# KiCad board NoU2-panelized2.kicad_pcb (continued)
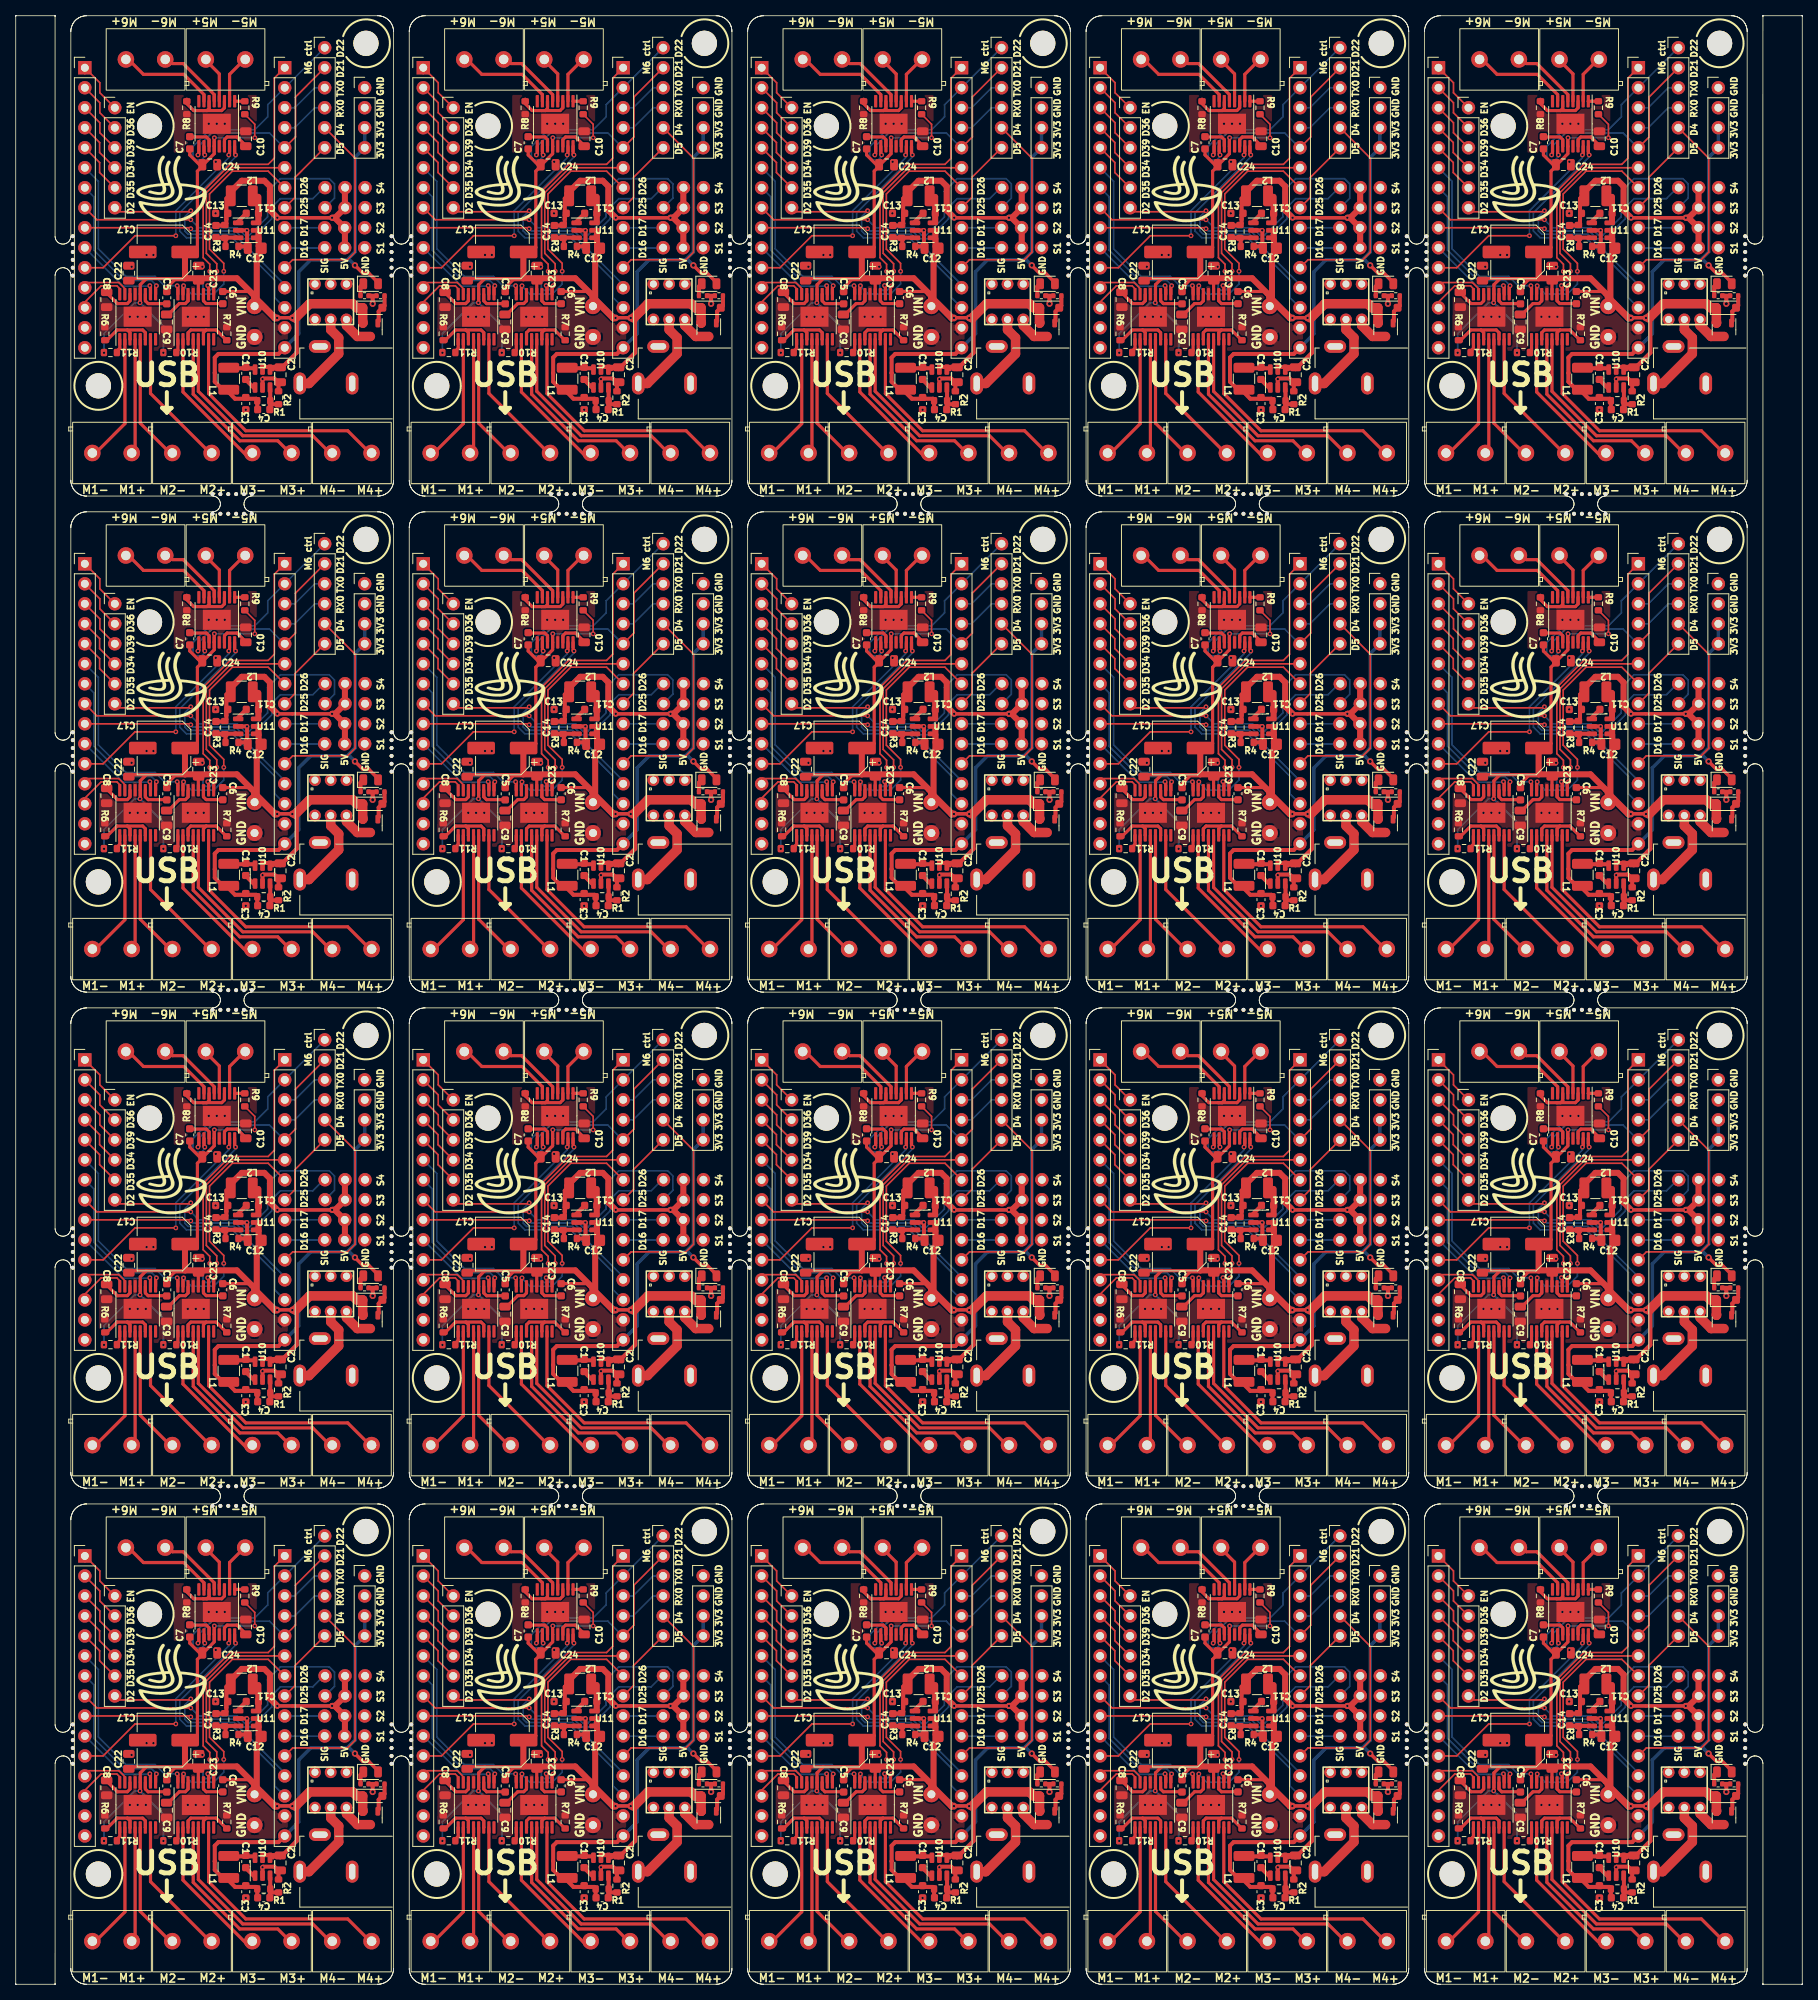
[diagram p0: board, top side]
## Routing (per net, layer and track width the routed paths; a pad name or vN(x,y) marks a point on that pad's centre or on a via; arc(x,y) is an arc through that point) (continued)
  Top w0.432: v2(33.21,148.62) 33.25,148.65 35.11,148.65 v2(35.14,148.62)
  Top w0.508: 31.65,142.4 32.27,142.4 ; 30.86,156.72 30.86,156.95 C12#5.2 ; 30.86,158.61 30.68,158.8 ; 32.53,142.27 32.69,142.11 ; 33.6,142.11 33.77,142.28 33.79,142.28 35.7,144.2 35.7,148.46 35.54,148.62 ; 33.52,142.41 32.61,142.41
  Top w0.762: C17#12.1 21.5,156.97 21.5,153.66 ; 30.85,158.7 30.85,159.65 ; 21.57,153.66 28.1,153.66 30.34,151.41 J14#8.1 30.62,150.4 30.62,156.48 30.86,156.72 30.86,158.61
  Top w0.864: v2(33.21,148.62) 32.93,148.62 30.34,151.21 30.34,151.41 ; 35.54,148.62 v2(35.14,148.62)
  Top w1.2: 44.11,148.12 Q1#5.2 44.09,148 D3#19.1 43.32,149.92 42.81,150.42 37.34,150.42 35.54,148.62
  Bottom w0.203: 25.21,171.51 v2(30.37,171.51) ; v2(11.22,144.2) 11.22,146.64 15.13,150.55 v2(15.79,150.55)
  Bottom w0.25: v2(15.79,150.55) 18.76,147.58 v2(18.76,144.2)
  Bottom w0.432: v2(33.21,148.62) 33.25,148.65 35.11,148.65 v2(35.14,148.62)
  vias: v2(25.24,171.51)
Board_6-3V3: length 60.9
  Top w0.432: v1(86.1,155.3) 87.1,154.3 87.85,154.3 89.04,153.11 D1#3.2
  Top w0.508: 70.07,139.37 69.94,139.5 69.94,139.29 70.87,138.36 73.56,138.36 73.81,138.1 ; 73.81,137.04 73.86,136.99 ; 70.2,139.25 69.56,139.25 68.29,140.52 68.29,141.63 68.29,141.63 68.29,143.59 68.75,144.05 76.39,144.05 J5#9.15 ; R1#18.1 73.69,137.04
  Bottom w0.432: J3#14.3 J3#14.4 86.11,169.01 86.11,157.01 85.12,156.01 ; v1(86.1,155.3) 85.39,156.01 85.12,156.01 ; 85.12,156.01 80.48,156.01 78.96,154.49 78.96,146.62 J5#9.15
Board_6-5V: length 40.3
  Top w0.432: v2(83.2,161.35) v2(76.24,161.35)
  Top w0.508: C14#3.2 69.5,160.37 R3#8.1 69.76,160.63 69.76,161.14 ; 70.11,164.14 69.76,163.79 69.76,161.14 ; 69.76,161.14 69.76,161.69 69.98,161.9 69.98,162.1
  Top w0.762: 84.82,157.51 84.82,160.05 83.53,161.35 v2(83.2,161.35) 83.58,161.35 84.82,162.59 84.82,165.16 ; v2(76.24,161.35) 75.3,162.29 75.3,165.33 74.59,166.05 72.58,166.05 72.58,166.05 71.72,166.05 70.11,164.43 70.11,164.14
  Bottom w0.432: v2(76.24,161.35) v2(83.2,161.35)
Board_6-/Sheet6057E9B8/D34: length 6.7
  Top w0.203: J4.4 53.66,169.63 53.66,170.9 J2#18.4
Board_6-/Sheet6057E9B8/D35: length 6.7
  Top w0.203: J4.5 53.66,167.09 53.66,168.36 J2#18.5
Board_6-/Sheet6057E9B8/D36: length 6.7
  Top w0.203: J2#18.2 53.68,175.95 53.68,174.68 J4.2
Board_6-/Sheet6057E9B8/D39: length 6.7
  Top w0.203: J4.3 53.68,172.14 53.68,173.41 J2#18.3
Board_6-/Sheet6057E9B8/EN: length 7.3
  Top w0.203: J4.1 53.68,177.22 53.68,178.49 J2#18.1
  Top w0.399: 51.78,179.76 J2#18.1
Board_6-D2: length 28.7
  Top w0.203: v2(65.24,162.24) 65.11,162.11 56.1,162.11 J4.6
  Bottom w0.203: J5#9.12 77.18,152.84 70.77,159.25 64.9,159.25 64.48,159.67 64.48,161.47 v2(65.24,162.24)
Board_6-D4: length 27.2
  Top w0.203: J5#9.11 78.19,156.01 85.15,156.01 86.12,156.98 86.12,168.92 J1#12.5
Board_6-D5: length 9.7
  Top w0.203: J5#9.8 78.5,163.94 78.5,166.48 J1#12.6
Board_6-GND: length 11.5
  Top w0.508: 72.32,136.98 72.33,136.98 ; R4#2.2 72.31,157.71 72.4,157.8 72.4,159.72 v2(72.38,159.75) 71.06,159.75 ; R5#7.2 88.1,151.44 ; 88.1,151.44 R14#11.2 ; 88.1,151.44 88.35,151.19 v1(88.35,150.42) ; 76.39,139.31 76.39,140.24 76.61,140.46 76.33,140.46 75.86,140.93 74.43,140.93 v2(74.36,140.86) 74.36,139.61
  vias: v2(57.49,148.77) v2(57.72,155.12) v2(58.5,148.77) v2(59.53,148.77) v2(59.63,156.62) v2(60.49,156.62) v2(64.86,148.77) v2(65.88,148.77) v2(66.71,155.12) v2(66.89,148.77) v2(67.53,173.28) v2(68.42,168.46) v2(68.39,161.9) v2(68.54,173.28) v2(69.56,173.28) v2(72.23,136.96)
Board_6-M1A: length 6.9
  Top w0.203: 56.22,151.64 56.22,152.33 55.85,152.7 53.85,152.7 51.78,150.63 J2#18.13
Board_6-M1B: length 6.8
  Top w0.203: J2#18.12 51.78,153.12 56.1,153.12 56.87,152.34 56.87,151.64
Board_6-M2A: length 11.3
  Top w0.399: 60.03,152.66 60.12,152.57 60.12,151.64
  Bottom w0.203: J2#18.10 56.66,152.66 60.03,152.66
  vias: v2(60.03,152.72)
Board_6-M2B: length 19.4
  Top w0.399: 60.77,151.64 60.77,152.56 60.87,152.66
  Bottom w0.203: J2#18.7 52.93,164 52.93,157.22 56.78,153.37 60.26,153.37 60.87,152.76 v2(60.87,152.71) 60.87,152.66 60.87,152.72
Board_6-M3A: length 24
  Top w0.399: 63.51,152.66 63.6,152.57 U3#10.16
  Bottom w0.203: v2(63.51,152.72) 61.88,152.72 60.7,153.9 57,153.9 53.5,157.4 53.5,165.97 J2#18.6
Board_6-M3B: length 30.9
  Top w0.203: J5#9.7 75.07,167.26 70.52,167.26 67.62,164.36 67.62,157.36 69.43,155.55 v2(69.43,154.54) ; 64.25,152.58 64.33,152.66
  Top w0.399: U3#10.15 64.25,152.58
  Bottom w0.203: v2(69.43,154.54) 69.43,152.93 68.15,151.65 65.34,151.65 64.33,152.66
  vias: v2(64.33,152.71)
Board_6-M4A: length 25.2
  Top w0.203: J5#9.6 70.39,167.7 67.22,164.53 67.22,156.83 68.54,155.5 v2(68.54,154.54)
  Top w0.399: 67.4,152.66 67.5,152.56 U3#10.10
  Bottom w0.203: v2(68.54,154.54) 68.54,153.82 67.4,152.67 67.4,152.66
  vias: v2(67.4,152.74)
Board_6-M4B: length 38.7
  Top w0.203: v2(67.65,154.54) 67.65,155.44 66.82,156.28 66.82,164.7 70.24,168.13 75.07,168.13 75.86,168.92 75.86,179.08 J5#9.1
  Top w0.399: U3#10.9 68.15,152.55 68.26,152.66
  Bottom w0.203: v2(68.29,152.71) 67.71,152.13 67.11,152.13 66.79,152.44 66.79,153.12 67.65,153.98 v2(67.65,154.54)
Board_6-M5A: length 32.5
  Top w0.399: 70.93,169.37 v2(70.93,169.32) 70.82,169.43 U2#19.16
  Bottom w0.203: v2(70.93,169.32) 70.93,169.07 63.84,161.98 63.84,159.65 64.69,158.81 70.51,158.81 75.91,153.41 75.91,151.19 77.18,149.92 J5#9.13
Board_6-M5B: length 27.4
  Top w0.203: J2#18.11 54.1,155 58.16,159.06 v2(63.34,159.06)
  Top w0.399: 70.07,169.37 70.17,169.47 U2#19.15
  Bottom w0.203: 70.07,169.37 70.07,168.97 63.34,162.24 v2(63.34,159.06)
  vias: v2(70.07,169.32)
Board_6-M6A: length 27.3
  Top w0.203: 82.25,182.94 J1#12.1
  Top w0.399: 67.02,169.37 66.92,169.47 U2#19.10
  Bottom w0.203: v2(67.02,169.32) 67.02,169.12 66.59,168.69 65.85,168.69 65.53,169.02 65.53,170.39 67.65,172.52 73.37,172.52 75.02,174.17 75.02,175.7 J5#9.2 82.25,182.94
Board_6-M6B: length 26.9
  Top w0.203: J5#9.5 78.55,171.61 78.55,176.69 J1#12.2
  Top w0.399: U2#19.9 66.27,169.49 66.16,169.37
  Bottom w0.203: 66.16,169.37 66.27,169.49 66.27,170.46 67.92,172.11 75.24,172.11 77.11,170.24 J5#9.5
  vias: v2(66.16,169.32)
Board_6-Net-(D1-K): length 1.7
  Top w0.508: R14#11.1 86.81,152.61 D1#3.1
Board_6-Net-(D3-A): length 3.7
  Top w0.508: 89.01,148.12 89.12,148.23 89.12,149.45 D3.2 89.86,150.19 R5#7.1
Board_6-Net-(J10-Pad1): length 11.3
  Top w1.2: 79.08,140.3 80.26,140.3 84.04,144.07 84.04,146.11 83.02,147.12 U4#3.5
Board_6-Net-(J11-Pin_1): length 14.9
  Top w0.399: 58.17,145.91 58.17,131.42 57.87,131.12
Board_6-Net-(J11-Pin_2): length 16.5
  Top w0.399: 56.87,145.91 56.87,135.2 52.79,131.12
Board_6-Net-(J15-Pin_1): length 18.1
  Top w0.399: 60.12,145.91 60.12,139.03 68.03,131.12
Board_6-Net-(J15-Pin_2): length 16.5
  Top w0.399: 62.95,131.12 58.82,135.25 58.82,145.91
Board_6-Net-(J16-Pin_1): length 22.9
  Top w0.399: U3#10.4 65.55,138.94 71.47,133.02 76.3,133.02 78.19,131.12
Board_6-Net-(J16-Pin_2): length 18.9
  Top w0.399: U3#10.2 64.25,139.22 72.35,131.12 73.12,131.12
Board_6-Net-(J17-Pin_1): length 31
  Top w0.399: 88.35,131.12 85.18,134.29 72.23,134.29 67.5,139.02 U3#10.7
Board_6-Net-(J17-Pin_2): length 27.1
  Top w0.399: U3#10.5 66.2,139.3 71.84,133.66 80.73,133.66 83.28,131.12
Board_6-Net-(J18-Pin_1): length 6.4
  Top w0.399: 67.15,181.79 67.15,181.34 68.87,179.61 U2#19.4
Board_6-Net-(J18-Pin_2): length 6.5
  Top w0.399: 72.23,181.79 72.23,181.62 70.17,179.56 U2#19.2
Board_6-Net-(J19-Pin_1): length 12.8
  Top w0.399: 56.99,181.79 59.22,179.56 64.35,179.56 66.92,176.99 U2#19.7
Board_6-Net-(J19-Pin_2): length 9
  Top w0.399: U2#19.5 68.22,176.99 64.28,180.93 62.93,180.93 62.07,181.79
Board_6-Net-(Q1-D): length 4.4
  Top w1.2: Q1#6.3 86.41,146.27 85.02,147.66 U4#3.6
Board_6-Net-(U1-AISEN): length 7.8
  Top w0.399: 54.7,145.66 54.7,145.91 55.89,147.1 57.18,147.1 ; 57.52,145.91 57.52,145.91 57.52,146.75 57.18,147.1 ; 57.18,147.1 59.13,147.1 59.47,146.75 59.47,145.91 59.47,145.91
Board_6-Net-(U1-nSLEEP): length 1.8
  Top w0.399: 55.78,144.33 56.22,144.77 56.22,145.91
Board_6-Net-(U1-VCP): length 3.7
  Top w0.399: 59.47,151.64 59.47,150.79 59.82,150.44 62.16,150.44 C5#9.2
Board_6-Net-(U1-VINT): length 4.6
  Top w0.399: C8#13.1 54.55,151.81 55.91,150.45 57.18,150.45 57.52,150.79 57.52,151.64
Board_6-Net-(U2-AISEN): length 8.5
  Top w0.399: U2#19.3 69.52,175.3 69.17,174.96 66.79,174.96 ; 66.79,174.96 67.3,174.96 67.57,175.23 U2#19.6 ; 66.79,174.96 65.61,174.96 64.73,175.83 64.73,176.4
Board_6-Net-(U2-nSLEEP): length 1.3
  Top w0.399: U2#19.1 70.82,176.14 R9#6.1
Board_6-Net-(U2-VCP): length 3.5
  Top w0.399: C7#9.2 65.15,171.61 67.22,171.61 67.57,171.27 U2#19.11
Board_6-Net-(U2-VINT): length 4.2
  Top w0.399: U2#19.14 69.52,171.27 69.86,171.61 71.12,171.61 72.23,170.51 C10.1
Board_6-Net-(U3-AISEN): length 7.8
  Top w0.399: 67.19,147.1 68.47,147.1 69.69,145.89 69.69,145.66 ; 67.19,147.1 65.24,147.1 64.9,146.75 U3#10.3 64.9,145.91 ; 67.19,147.1 66.85,146.75 U3#10.6 66.84,145.9
Board_6-Net-(U3-nSLEEP): length 1.7
  Top w0.399: U3#10.1 63.6,144.53 63.4,144.33
Board_6-Net-(U3-VCP): length 3.4
  Top w0.399: C6#15.2 69.28,150.45 67.19,150.45 66.85,150.79 U3#10.11
Board_6-Net-(U3-VINT): length 4.3
  Top w0.399: C9#5.1 62.4,149.06 63.78,150.45 64.56,150.45 64.9,150.79 U3#10.14
Board_6-Net-(U10-BS): length 1.7
  Top w0.508: 72.2,140.8 73.37,139.63 ; 72.33,140.81 72.33,140.78
Board_6-Net-(U10-FB): length 4.1
  Top w0.508: C4#11.1 75.29,138.06 ; 75.29,138.06 R1#18.2 75.34,139.59 ; 75.29,138.06 75.29,137.84 75.46,137.66 R2#2.1 ; 75.41,138.06 75.46,138.1
Board_6-Net-(U10-LX): length 3.3
  Top w0.508: 73.43,142.23 70.15,142.23
Board_6-Net-(U11-BS): length 1.7
  Top w0.508: C11#4.2 71.08,160.7 71.06,160.7
Board_6-Net-(U11-FB): length 3.7
  Top w0.508: 71.06,158.8 71.04,158.82 C14#3.1 ; R3#8.2 69.65,158.69 R4#2.1
Board_6-Net-(U11-LX): length 3.5
  Top w0.508: 73.7,163.99 73.65,164.04 ; 73.68,161.75 C11#4.1 73.7,162.04
  Top w0.762: 73.83,160.81 73.83,161.86 ; 73.83,162.06 73.83,164
Board_6-RX0: length 6.1
  Bottom w0.203: J5#9.4 78.45,172.78 80.99,175.32 J1#12.4
Board_6-SRV1: length 5.1
  Top w0.203: 77.21,157.51 J5#9.10
  Bottom w0.203: 82.28,157.51 77.21,157.51
Board_6-SRV2: length 5.1
  Bottom w0.203: J5#9.9 82.25,160.08
Board_6-SRV3: length 41.8
  Top w0.203: J2#18.8 53.3,161.09 v2(65.24,161.09)
  Bottom w0.203: v2(65.24,161.09) 66.26,160.08 71.15,160.08 72.08,159.14 72.68,159.14 75,161.46 75,164.68 76.63,166.31 82.83,166.31 83.5,165.64 83.5,163.83 82.28,162.62
Board_6-SRV4: length 34.6
  Top w0.203: J2#18.9 65.15,160.08 v2(65.24,159.95)
  Bottom w0.203: v2(65.24,159.95) 65.52,159.67 70.91,159.67 71.91,158.68 72.99,158.68 75.53,161.22 75.53,162.67 76.63,163.77 80.75,163.77 82.13,165.16 82.28,165.16
Board_6-TX0: length 6.1
  Bottom w0.203: J5#9.3 78.45,175.32 80.99,177.86 J1#12.3
Board_6-VIN: length 119.5
  Top w0.203: v2(73.37,171.51) 73.37,173.22 R9#6.2
  Top w0.25: J14#5.1 73.74,150.51 73.74,151.1
  Top w0.399: C24#11.1 66.36,168.08 65.11,169.32 C7#9.1 ; C24#11.1 66.7,167.89 66.08,167.26 66.08,157.59 65.5,157 C17#15.1 ; C24#11.1 66.82,168.08 68.22,169.48 U2#19.12 68.21,170.43 68.21,171.51 ; 63.16,153.42 62.19,152.46 62.19,151.96 ; 72.01,174.4 R9#6.2 ; 64.54,153.62 59.6,153.62 58.82,152.84 58.82,150.56 58.81,150.55 ; C6#15.1 72.78,151.98 73.04,151.72 ; 66.21,153.36 66.2,153.36 U3#10.12 ; C22#8.1 57.61,153.6 ; 57.65,153.62 59.63,153.62 ; 64.49,153.47 63.32,153.47
  Top w0.432: v2(76.21,148.62) 76.25,148.65 78.11,148.65 v2(78.14,148.62)
  Top w0.508: 74.65,142.4 75.27,142.4 ; 73.86,156.72 73.86,156.95 C12#11.2 ; 73.86,158.61 73.68,158.8 ; 75.53,142.27 75.69,142.11 ; 76.6,142.11 76.77,142.28 76.79,142.28 78.7,144.2 78.7,148.46 78.54,148.62 ; 76.52,142.41 75.61,142.41
  Top w0.762: C17#15.1 64.5,156.97 64.5,153.66 ; 73.85,158.7 73.85,159.65 ; 64.57,153.66 71.1,153.66 73.34,151.41 J14#5.1 73.62,150.4 73.62,156.48 73.86,156.72 73.86,158.61
  Top w0.864: v2(76.21,148.62) 75.93,148.62 73.34,151.21 73.34,151.41 ; 78.54,148.62 v2(78.14,148.62)
  Top w1.2: 87.11,148.12 Q1#6.2 87.09,148 D3.1 86.32,149.92 85.81,150.42 80.34,150.42 78.54,148.62
  Bottom w0.203: 68.21,171.51 v2(73.37,171.51) ; v2(54.22,144.2) 54.22,146.64 58.13,150.55 v2(58.79,150.55)
  Bottom w0.25: v2(58.79,150.55) 61.76,147.58 v2(61.76,144.2)
  Bottom w0.432: v2(76.21,148.62) 76.25,148.65 78.11,148.65 v2(78.14,148.62)
  vias: v2(68.24,171.51)
Board_7-3V3: length 60.9
  Top w0.432: v1(129.1,155.3) 130.1,154.3 130.85,154.3 132.04,153.11 D1#7.2
  Top w0.508: 113.07,139.37 112.94,139.5 112.94,139.29 113.87,138.36 116.56,138.36 116.81,138.1 ; 116.81,137.04 116.86,136.99 ; 113.2,139.25 112.56,139.25 111.29,140.52 111.29,141.63 111.29,141.63 111.29,143.59 111.75,144.05 119.39,144.05 J5#10.15 ; R1#19.1 116.69,137.04
  Bottom w0.432: J3#15.3 J3#15.4 129.11,169.01 129.11,157.01 128.12,156.01 ; v1(129.1,155.3) 128.39,156.01 128.12,156.01 ; 128.12,156.01 123.48,156.01 121.96,154.49 121.96,146.62 J5#10.15
Board_7-5V: length 40.3
  Top w0.432: v2(126.2,161.35) v2(119.24,161.35)
  Top w0.508: C14#2.2 112.5,160.37 R3#20.1 112.76,160.63 112.76,161.14 ; 113.11,164.14 112.76,163.79 112.76,161.14 ; 112.76,161.14 112.76,161.69 112.98,161.9 112.98,162.1
  Top w0.762: 127.82,157.51 127.82,160.05 126.53,161.35 v2(126.2,161.35) 126.58,161.35 127.82,162.59 127.82,165.16 ; v2(119.24,161.35) 118.3,162.29 118.3,165.33 117.59,166.05 115.58,166.05 115.58,166.05 114.72,166.05 113.11,164.43 113.11,164.14
  Bottom w0.432: v2(119.24,161.35) v2(126.2,161.35)
Board_7-/Sheet6057E9B8/D34: length 6.7
  Top w0.203: J4#10.4 96.66,169.63 96.66,170.9 J2#2.4
Board_7-/Sheet6057E9B8/D35: length 6.7
  Top w0.203: J4#10.5 96.66,167.09 96.66,168.36 J2#2.5
Board_7-/Sheet6057E9B8/D36: length 6.7
  Top w0.203: J2#2.2 96.68,175.95 96.68,174.68 J4#10.2
Board_7-/Sheet6057E9B8/D39: length 6.7
  Top w0.203: J4#10.3 96.68,172.14 96.68,173.41 J2#2.3
Board_7-/Sheet6057E9B8/EN: length 7.3
  Top w0.203: J4#10.1 96.68,177.22 96.68,178.49 J2#2.1
  Top w0.399: 94.78,179.76 J2#2.1
Board_7-D2: length 28.7
  Top w0.203: v2(108.24,162.24) 108.11,162.11 99.1,162.11 J4#10.6
  Bottom w0.203: J5#10.12 120.18,152.84 113.77,159.25 107.9,159.25 107.48,159.67 107.48,161.47 v2(108.24,162.24)
Board_7-D4: length 27.2
  Top w0.203: J5#10.11 121.19,156.01 128.15,156.01 129.12,156.98 129.12,168.92 J1#15.5
Board_7-D5: length 9.7
  Top w0.203: J5#10.8 121.5,163.94 121.5,166.48 J1#15.6
Board_7-GND: length 11.5
  Top w0.508: 115.32,136.98 115.33,136.98 ; R4#12.2 115.31,157.71 115.4,157.8 115.4,159.72 v2(115.38,159.75) 114.06,159.75 ; R5#14.2 131.1,151.44 ; 131.1,151.44 R14#2.2 ; 131.1,151.44 131.36,151.19 v1(131.36,150.42) ; 119.39,139.31 119.39,140.24 119.61,140.46 119.33,140.46 118.86,140.93 117.43,140.93 v2(117.36,140.86) 117.36,139.61
  vias: v2(100.49,148.77) v2(100.72,155.12) v2(101.5,148.77) v2(102.53,148.77) v2(102.63,156.62) v2(103.49,156.62) v2(107.86,148.77) v2(108.88,148.77) v2(109.71,155.12) v2(109.89,148.77) v2(110.53,173.28) v2(111.42,168.46) v2(111.39,161.9) v2(111.54,173.28) v2(112.56,173.28) v2(115.23,136.96)
Board_7-M1A: length 6.9
  Top w0.203: 99.22,151.64 99.22,152.33 98.85,152.7 96.85,152.7 94.78,150.63 J2#2.13
Board_7-M1B: length 6.8
  Top w0.203: J2#2.12 94.78,153.12 99.1,153.12 99.87,152.34 99.87,151.64
Board_7-M2A: length 11.3
  Top w0.399: 103.03,152.66 103.12,152.57 103.12,151.64
  Bottom w0.203: J2#2.10 99.66,152.66 103.03,152.66
  vias: v2(103.03,152.72)
Board_7-M2B: length 19.4
  Top w0.399: 103.77,151.64 103.77,152.56 103.87,152.66
  Bottom w0.203: J2#2.7 95.93,164 95.93,157.22 99.78,153.37 103.26,153.37 103.87,152.76 v2(103.87,152.71) 103.87,152.66 103.87,152.72
Board_7-M3A: length 24
  Top w0.399: 106.51,152.66 106.6,152.57 U3#15.16
  Bottom w0.203: v2(106.51,152.72) 104.88,152.72 103.7,153.9 100,153.9 96.5,157.4 96.5,165.97 J2#2.6
Board_7-M3B: length 30.9
  Top w0.203: J5#10.7 118.07,167.26 113.52,167.26 110.62,164.36 110.62,157.36 112.43,155.55 v2(112.43,154.54) ; 107.25,152.58 107.33,152.66
  Top w0.399: U3#15.15 107.25,152.58
  Bottom w0.203: v2(112.43,154.54) 112.43,152.93 111.15,151.65 108.34,151.65 107.33,152.66
  vias: v2(107.33,152.71)
Board_7-M4A: length 25.2
  Top w0.203: J5#10.6 113.39,167.7 110.22,164.53 110.22,156.83 111.54,155.5 v2(111.54,154.54)
  Top w0.399: 110.4,152.66 110.5,152.56 U3#15.10
  Bottom w0.203: v2(111.54,154.54) 111.54,153.82 110.4,152.67 110.4,152.66
  vias: v2(110.4,152.74)
Board_7-M4B: length 38.7
  Top w0.203: v2(110.65,154.54) 110.65,155.44 109.82,156.28 109.82,164.7 113.24,168.13 118.07,168.13 118.86,168.92 118.86,179.08 J5#10.1
  Top w0.399: U3#15.9 111.15,152.55 111.26,152.66
  Bottom w0.203: v2(111.29,152.71) 110.71,152.13 110.11,152.13 109.79,152.44 109.79,153.12 110.65,153.98 v2(110.65,154.54)
Board_7-M5A: length 32.5
  Top w0.399: 113.93,169.37 v2(113.93,169.32) 113.82,169.43 U2#8.16
  Bottom w0.203: v2(113.93,169.32) 113.93,169.07 106.84,161.98 106.84,159.65 107.69,158.81 113.51,158.81 118.91,153.41 118.91,151.19 120.18,149.92 J5#10.13
Board_7-M5B: length 27.4
  Top w0.203: J2#2.11 97.1,155 101.16,159.06 v2(106.34,159.06)
  Top w0.399: 113.07,169.37 113.17,169.47 U2#8.15
  Bottom w0.203: 113.07,169.37 113.07,168.97 106.34,162.24 v2(106.34,159.06)
  vias: v2(113.07,169.32)
Board_7-M6A: length 27.3
  Top w0.203: 125.25,182.94 J1#15.1
  Top w0.399: 110.02,169.37 109.92,169.47 U2#8.10
  Bottom w0.203: v2(110.02,169.32) 110.02,169.12 109.59,168.69 108.85,168.69 108.53,169.02 108.53,170.39 110.65,172.52 116.37,172.52 118.02,174.17 118.02,175.7 J5#10.2 125.25,182.94
Board_7-M6B: length 26.9
  Top w0.203: J5#10.5 121.55,171.61 121.55,176.69 J1#15.2
  Top w0.399: U2#8.9 109.27,169.49 109.16,169.37
  Bottom w0.203: 109.16,169.37 109.27,169.49 109.27,170.46 110.92,172.11 118.24,172.11 120.11,170.24 J5#10.5
  vias: v2(109.16,169.32)
Board_7-Net-(D1-K): length 1.7
  Top w0.508: R14#2.1 129.81,152.61 D1#7.1
Board_7-Net-(D3-A): length 3.7
  Top w0.508: 132.01,148.12 132.12,148.23 132.12,149.45 D3#4.2 132.86,150.19 R5#14.1
Board_7-Net-(J10-Pad1): length 11.3
  Top w1.2: 122.08,140.3 123.26,140.3 127.04,144.07 127.04,146.11 126.02,147.12 U4#4.5
Board_7-Net-(J11-Pin_1): length 14.9
  Top w0.399: 101.17,145.91 101.17,131.42 100.88,131.12
Board_7-Net-(J11-Pin_2): length 16.5
  Top w0.399: 99.87,145.91 99.87,135.2 95.8,131.12
Board_7-Net-(J15-Pin_1): length 18.1
  Top w0.399: 103.12,145.91 103.12,139.03 111.03,131.12
Board_7-Net-(J15-Pin_2): length 16.5
  Top w0.399: 105.96,131.12 101.82,135.25 101.82,145.91
Board_7-Net-(J16-Pin_1): length 22.9
  Top w0.399: U3#15.4 108.55,138.94 114.47,133.02 119.3,133.02 121.19,131.12
Board_7-Net-(J16-Pin_2): length 18.9
  Top w0.399: U3#15.2 107.25,139.22 115.35,131.12 116.12,131.12
Board_7-Net-(J17-Pin_1): length 31
  Top w0.399: 131.36,131.12 128.18,134.29 115.23,134.29 110.5,139.02 U3#15.7
Board_7-Net-(J17-Pin_2): length 27.1
  Top w0.399: U3#15.5 109.2,139.3 114.84,133.66 123.74,133.66 126.28,131.12
Board_7-Net-(J18-Pin_1): length 6.4
  Top w0.399: 110.15,181.79 110.15,181.34 111.87,179.61 U2#8.4
Board_7-Net-(J18-Pin_2): length 6.5
  Top w0.399: 115.23,181.79 115.23,181.62 113.17,179.56 U2#8.2
Board_7-Net-(J19-Pin_1): length 12.8
  Top w0.399: 99.99,181.79 102.22,179.56 107.35,179.56 109.92,176.99 U2#8.7
Board_7-Net-(J19-Pin_2): length 9
  Top w0.399: U2#8.5 111.22,176.99 107.28,180.93 105.93,180.93 105.07,181.79
Board_7-Net-(Q1-D): length 4.4
  Top w1.2: Q1#3.3 129.41,146.27 128.02,147.66 U4#4.6
Board_7-Net-(U1-AISEN): length 7.8
  Top w0.399: 97.7,145.66 97.7,145.91 98.89,147.1 100.18,147.1 ; 100.52,145.91 100.52,145.91 100.52,146.75 100.18,147.1 ; 100.18,147.1 102.13,147.1 102.47,146.75 102.47,145.91 102.47,145.91
Board_7-Net-(U1-nSLEEP): length 1.8
  Top w0.399: 98.78,144.33 99.22,144.77 99.22,145.91
Board_7-Net-(U1-VCP): length 3.7
  Top w0.399: 102.47,151.64 102.47,150.79 102.82,150.44 105.16,150.44 C5#4.2
Board_7-Net-(U1-VINT): length 4.6
  Top w0.399: C8#12.1 97.55,151.81 98.91,150.45 100.18,150.45 100.52,150.79 100.52,151.64
Board_7-Net-(U2-AISEN): length 8.5
  Top w0.399: U2#8.3 112.52,175.3 112.17,174.96 109.79,174.96 ; 109.79,174.96 110.3,174.96 110.57,175.23 U2#8.6 ; 109.79,174.96 108.61,174.96 107.73,175.83 107.73,176.4
Board_7-Net-(U2-nSLEEP): length 1.3
  Top w0.399: U2#8.1 113.82,176.14 R9#3.1
Board_7-Net-(U2-VCP): length 3.5
  Top w0.399: C7#17.2 108.15,171.61 110.22,171.61 110.57,171.27 U2#8.11
Board_7-Net-(U2-VINT): length 4.2
  Top w0.399: U2#8.14 112.52,171.27 112.86,171.61 114.12,171.61 115.23,170.51 C10#16.1
Board_7-Net-(U3-AISEN): length 7.8
  Top w0.399: 110.19,147.1 111.47,147.1 112.69,145.89 112.69,145.66 ; 110.19,147.1 108.24,147.1 107.9,146.75 U3#15.3 107.9,145.91 ; 110.19,147.1 109.85,146.75 U3#15.6 109.84,145.9
Board_7-Net-(U3-nSLEEP): length 1.7
  Top w0.399: U3#15.1 106.6,144.53 106.4,144.33
Board_7-Net-(U3-VCP): length 3.4
  Top w0.399: C6#17.2 112.28,150.45 110.19,150.45 109.85,150.79 U3#15.11
Board_7-Net-(U3-VINT): length 4.3
  Top w0.399: C9#15.1 105.4,149.06 106.78,150.45 107.56,150.45 107.9,150.79 U3#15.14
Board_7-Net-(U10-BS): length 1.7
  Top w0.508: 115.2,140.8 116.37,139.63 ; 115.33,140.81 115.33,140.78
Board_7-Net-(U10-FB): length 4.1
  Top w0.508: C4#12.1 118.29,138.06 ; 118.29,138.06 R1#19.2 118.34,139.59 ; 118.29,138.06 118.29,137.84 118.46,137.66 R2.1 ; 118.41,138.06 118.46,138.1
Board_7-Net-(U10-LX): length 3.3
  Top w0.508: 116.43,142.23 113.15,142.23
Board_7-Net-(U11-BS): length 1.7
  Top w0.508: C11#7.2 114.08,160.7 114.06,160.7
Board_7-Net-(U11-FB): length 3.7
  Top w0.508: 114.06,158.8 114.04,158.82 C14#2.1 ; R3#20.2 112.65,158.69 R4#12.1
Board_7-Net-(U11-LX): length 3.5
  Top w0.508: 116.7,163.99 116.65,164.04 ; 116.68,161.75 C11#7.1 116.7,162.04
  Top w0.762: 116.83,160.81 116.83,161.86 ; 116.83,162.06 116.83,164
Board_7-RX0: length 6.1
  Bottom w0.203: J5#10.4 121.45,172.78 123.99,175.32 J1#15.4
Board_7-SRV1: length 5.1
  Top w0.203: 120.21,157.51 J5#10.10
  Bottom w0.203: 125.28,157.51 120.21,157.51
Board_7-SRV2: length 5.1
  Bottom w0.203: J5#10.9 125.25,160.08
Board_7-SRV3: length 41.8
  Top w0.203: J2#2.8 96.3,161.09 v2(108.24,161.09)
  Bottom w0.203: v2(108.24,161.09) 109.26,160.08 114.15,160.08 115.08,159.14 115.68,159.14 118,161.46 118,164.68 119.63,166.31 125.83,166.31 126.5,165.64 126.5,163.83 125.28,162.62
Board_7-SRV4: length 34.6
  Top w0.203: J2#2.9 108.15,160.08 v2(108.24,159.95)
  Bottom w0.203: v2(108.24,159.95) 108.52,159.67 113.91,159.67 114.91,158.68 115.99,158.68 118.53,161.22 118.53,162.67 119.63,163.77 123.75,163.77 125.13,165.16 125.28,165.16
Board_7-TX0: length 6.1
  Bottom w0.203: J5#10.3 121.45,175.32 123.99,177.86 J1#15.3
Board_7-VIN: length 119.5
  Top w0.203: v2(116.37,171.51) 116.37,173.22 R9#3.2
  Top w0.25: J14#10.1 116.74,150.51 116.74,151.1
  Top w0.399: C24#14.1 109.36,168.08 108.11,169.32 C7#17.1 ; C24#14.1 109.7,167.89 109.08,167.26 109.08,157.59 108.5,157 C17#19.1 ; C24#14.1 109.82,168.08 111.22,169.48 U2#8.12 111.21,170.43 111.21,171.51 ; 106.16,153.42 105.19,152.46 105.19,151.96 ; 115.01,174.4 R9#3.2 ; 107.54,153.62 102.6,153.62 101.82,152.84 101.82,150.56 101.81,150.55 ; C6#17.1 115.78,151.98 116.04,151.72 ; 109.21,153.36 109.2,153.36 U3#15.12 ; C22#16.1 100.61,153.6 ; 100.65,153.62 102.63,153.62 ; 107.49,153.47 106.32,153.47
  Top w0.432: v2(119.21,148.62) 119.25,148.65 121.11,148.65 v2(121.14,148.62)
  Top w0.508: 117.65,142.4 118.27,142.4 ; 116.86,156.72 116.86,156.95 C12#2.2 ; 116.86,158.61 116.68,158.8 ; 118.53,142.27 118.69,142.11 ; 119.6,142.11 119.77,142.28 119.79,142.28 121.7,144.2 121.7,148.46 121.54,148.62 ; 119.52,142.41 118.61,142.41
  Top w0.762: C17#19.1 107.5,156.97 107.5,153.66 ; 116.85,158.7 116.85,159.65 ; 107.57,153.66 114.1,153.66 116.34,151.41 J14#10.1 116.62,150.4 116.62,156.48 116.86,156.72 116.86,158.61
  Top w0.864: v2(119.21,148.62) 118.93,148.62 116.34,151.21 116.34,151.41 ; 121.54,148.62 v2(121.14,148.62)
  Top w1.2: 130.11,148.12 Q1#3.2 130.09,148 D3#4.1 129.32,149.92 128.81,150.42 123.34,150.42 121.54,148.62
  Bottom w0.203: 111.21,171.51 v2(116.37,171.51) ; v2(97.22,144.2) 97.22,146.64 101.13,150.55 v2(101.79,150.55)
  Bottom w0.25: v2(101.79,150.55) 104.76,147.58 v2(104.76,144.2)
  Bottom w0.432: v2(119.21,148.62) 119.25,148.65 121.11,148.65 v2(121.14,148.62)
  vias: v2(111.24,171.51)
Board_8-3V3: length 60.9
  Top w0.432: v1(172.1,155.3) 173.1,154.3 173.85,154.3 175.04,153.11 D1#4.2
  Top w0.508: 156.07,139.37 155.94,139.5 155.94,139.29 156.87,138.36 159.56,138.36 159.81,138.1 ; 159.81,137.04 159.86,136.99 ; 156.2,139.25 155.56,139.25 154.29,140.52 154.29,141.63 154.29,141.63 154.29,143.59 154.75,144.05 162.39,144.05 J5#15.15 ; R1#16.1 159.69,137.04
  Bottom w0.432: J3#7.3 J3#7.4 172.11,169.01 172.11,157.01 171.12,156.01 ; v1(172.1,155.3) 171.39,156.01 171.12,156.01 ; 171.12,156.01 166.48,156.01 164.96,154.49 164.96,146.62 J5#15.15
Board_8-5V: length 40.3
  Top w0.432: v2(169.2,161.35) v2(162.24,161.35)
  Top w0.508: C14#10.2 155.5,160.37 R3#14.1 155.76,160.63 155.76,161.14 ; 156.11,164.14 155.76,163.79 155.76,161.14 ; 155.76,161.14 155.76,161.69 155.98,161.9 155.98,162.1
  Top w0.762: 170.82,157.51 170.82,160.05 169.53,161.35 v2(169.2,161.35) 169.58,161.35 170.82,162.59 170.82,165.16 ; v2(162.24,161.35) 161.3,162.29 161.3,165.33 160.59,166.05 158.58,166.05 158.58,166.05 157.72,166.05 156.11,164.43 156.11,164.14
  Bottom w0.432: v2(162.24,161.35) v2(169.2,161.35)
